# Allegro board PSU-C2-6Layers-Aug8.brd (continued)
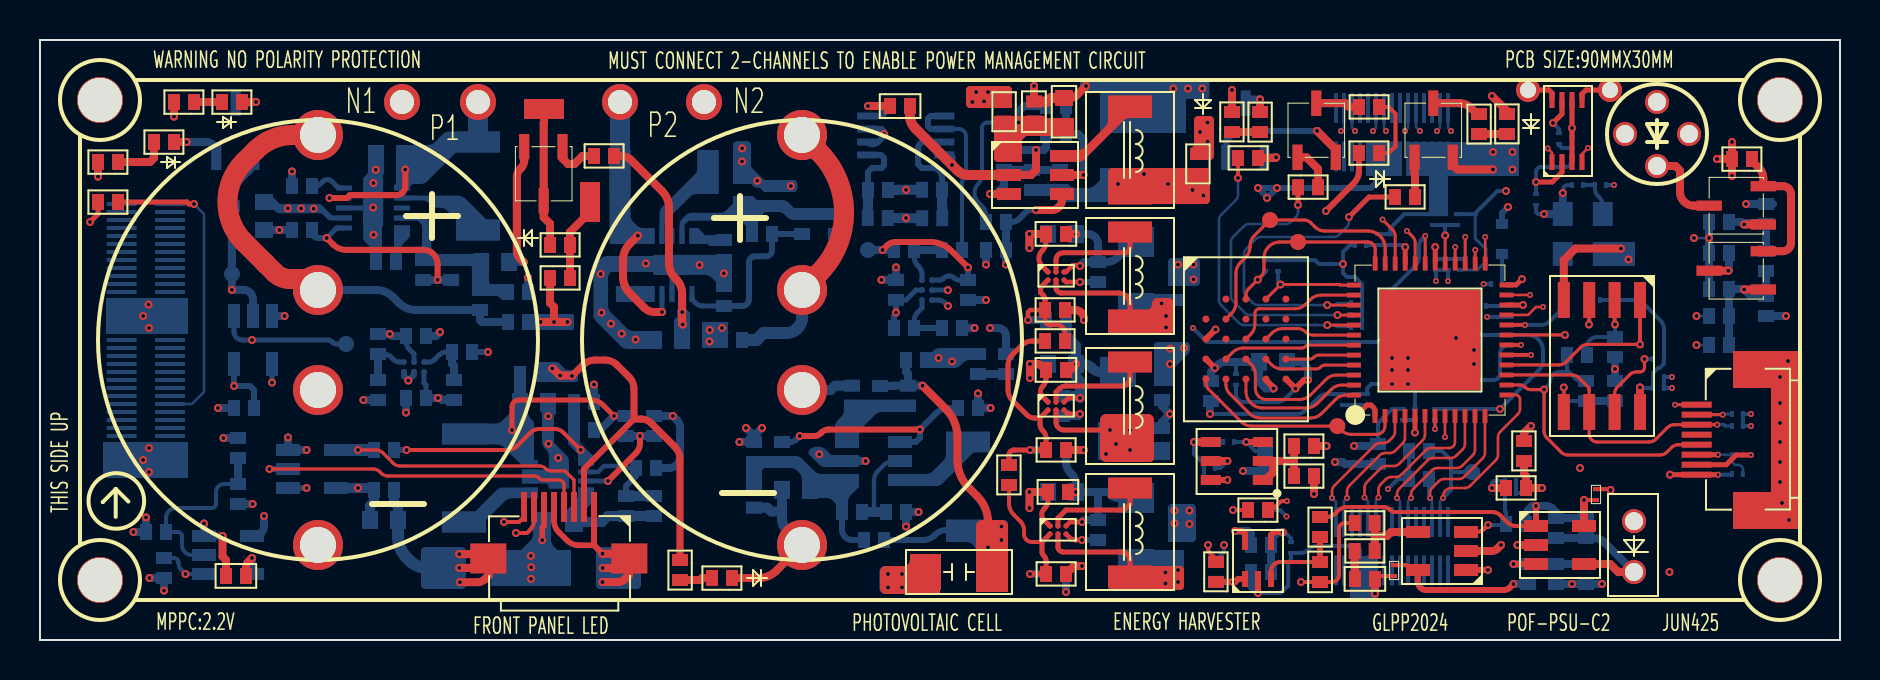
[diagram p0: board, top side]
## Nets
GND: C1.2 C2.1 C3.2 C4.1 C5.2 C5.4 C6.2 C6.4 C7.1 C8.1 C9.2 C10.2 C11.2 C12.1 C14.2 C15.2 C16.2 C17.2 C18.2 C20.2 C21.2 C22.2 C23.2 C24.2 C25.2 C26.2 C27.2 C29.2 C30.2 C31.2 C32.2 C34.2 C35.2 C36.2 C37.2 C38.1 C39.2 C40.2 C41.2 C42.1 C43.1 C44.2 C45.2 C46.2 C47.2 C48.1 C50.2 C51.2 C52.2 C53.2 C54.2 C55.2 C56.1 C57.2 C58.2 C59.2 C60.2 C61.1 C63.1 C64.2 C67.2 C68.1 C69.1 C70.1 C72.2 C73.2 C74.2 C75.1 C76.1 C77.2 C78.2 C79.1 D5.1(CATHODE) D6.1(CATHODE) D8.1(CATHODE) J1.7 J1.9 J1.10 J4.1 J4.5 J4.9 J4.10 J5.61 J5.62 J5.63 J5.64 J5.65 J5.66 J5.67 J5.68 J5.69 J5.70 J6.1 J6.3 J6.5 J6.7 J6.9 J6.11 J7.6 J7.8 J7.10 J7.12 PD1.2 Q3.2(EMITTER) Q4.2(EMITTER) Q5.2(EMITTER) Q6.2(EMITTER) Q7.2(EMITTER) R11.2 R24.1 R33.2 R34.1 R35.2 R36.1 R38.2 R39.1 R40.1 R49.2 R53.1 R58.1 R61.2 R62.2 R64.1 R81.1 R83.1 R84.1 R85.1 R88.1 R92.2 R94.1 R98.1 R102.1 R104.1 R107.1 R112.1 R120.2 R121.1 R122.1 R124.1 R130.2 TP11.1(TP) TP14.1(TP) U1.2 U2.A3 U3.C1 U3.E5(VSS#E5) U4.49 U5.4 U6.A3 U7.4 U8.A3 U10.2 U11.2(V-) U12.2(V-) U13.4(V-) U14.3 U14.11 U15.3 U15.11 U16.A2 U16.B2 U17.3 U18.A2 U18.B2 U19.2 U20.3 U21.2 U21.3 U21.9 U22.3 U23.2 Y2.2
P1V2: L9.1 R114.2
P1V8: L7.1 R90.2
P1V8_RX: C11.1 C63.2 C76.2 R25.2 R115.2 R123.2 U7.5(VOUT) U10.5 U11.5 U12.5
P1V8ADJ_PRE: C16.1 C17.1 C19.2 L1.2 R10.1 R37.1
P1V20: FB2.2 FB5.2 L9.2 R41.2
P1V80: C9.1 C10.1 C77.1 C78.1 FB1.2 FB3.1 FB4.2 J1.8 L7.2 L8.2 R12.1 R13.1 R14.1 R18.1 R21.1 R45.2 R51.2 R55.2 R57.2 R68.2 R77.2 R86.1 R129.2 U5.8 U23.3 U23.6 Y2.4(VCC)
P2V8: C79.2 D2.2 D3.2 D4.2 D7.2 R59.2 U23.7(VCCB)
P2V9ADJ: LD1.1 R10.2 R19.1 R29.1 R31.1 R32.1
P5V0: C4.2 C7.2 C12.2 C27.1 C47.1 C60.1 C72.1 C73.1 J4.6 J5.25 J5.26 J5.27 J5.28 J5.29 J5.30 J5.31 J5.32 J5.33 J5.34 L12.2 R1.2 R2.1 R9.2 R17.2 R20.2 R27.2 R93.2 R97.1 U2.A1 U6.A1 U8.A1
VCCIO_0: C25.1 C26.1 FB1.1 U4.33
VCCIO_2: C45.1 C51.1 FB4.1 U4.1
1ST_EN: J4.3 R95.2 U20.4(Y)
BIO-1: J7.27 R119.2 TP10.1(TP) U4.13
BIO-2: J7.2
BIO-3: J7.25 R118.2 U4.12
BIO-4: J7.17 U4.10
BIO-5: J7.19 U4.11
BIO-6: J7.11 R106.2 U4.9
BIO-7: J7.9 R101.2 U4.6
BIO-8: J7.3 R99.1 U4.4
BIO-9: J7.1 R100.1 U4.3
CHG_FULL: R79.2 R82.1 TP16.1(TP) U17.1 U18.C2
DONE2_LED: R86.2 U4.7
DPU_PWR_EN: J5.1 J5.51 R132.1
EIO-1: J6.26 U4.32
EIO-2: J6.4 U4.25 U23.4
EIO-4: J6.12 U4.27
EIO-5: J6.28 R132.2 U4.34
EIO-6: J6.10 U4.26
EIO-7: J6.18 U4.28
EIO-8: J6.20 R23.2 U4.31
EXT_24MHZ: U4.20 Y2.3
FF2_SCK: J1.3 R77.1 U4.15 U5.6
FF2_SS: J1.2 R51.1 U4.16 U5.1
FL2_MISO: R66.1 R69.1 U5.2
FL2_MOSI: R74.2 R76.2 U5.5
FL2_RST: R68.1 U5.7
FL2_WP: R45.1 U5.3(W\P\(IO2))
FP2_RST: C8.2 J1.6 R18.2 U4.8
FP2_SI: J1.1 R69.2 R76.1 U4.17
FP2_SO: J1.5 R66.2 R74.1 U4.14
IOB_23B: R15.1 U4.21
IOT_37A: J6.2 U4.23 U23.1
LD_PWR_EN: R22.2 U4.18
LDO22-1: C15.1 C23.1 C55.1 C59.1 C64.1 U14.2 U17.5 U20.5 U22.5
LDO22-2: C1.1 C38.2 C43.2 C44.1 R60.2 R67.1 R71.1 R82.2 R128.2 U13.8 U15.2 U16.B1 U18.B1
LED0: J4.8 R8.1 R12.2 U4.39
LED1: J4.7 R7.1 R14.2 U4.40
LED2: R6.1 R13.2 R91.2 U4.41
LOCK_EN: J4.4 U17.4(Y) U20.2
NC.A2: U3.A2
NC.A5: U3.A5
NC.B1: U3.B1
NC.B3: U3.B3
NC.B4: U3.B4
NC.B5: U3.B5
NC.C5: U3.C5
P5033: J6.13 J6.15 J6.17 J6.19 J6.21 R73.2 R75.1
P5033_PRE: C14.1 C49.2 C74.1 L11.2 R73.1 R80.1 R113.1
PSU_UART_TX: R50.1 U4.19
RAM_ADQ0: U3.D3 U4.46
RAM_ADQ1: U3.D2 U4.43
RAM_ADQ2: U3.C4 U4.42
RAM_ADQ3: U3.D4 U4.45
RAM_ADQ4: U3.D5 U4.44
RAM_ADQ5: U3.E3 U4.47
RAM_ADQ6: U3.E2 U4.48
RAM_ADQ7: TP9.1(TP) U3.E1 U4.2
RAM_CE: R55.1 TP2.1(TP) U3.A3 U4.36
RAM_CLK: TP1.1(TP) U3.B2 U4.35
RAM_DQS: U3.C3 U4.38
RAM_RST: R57.1 U3.A4 U4.37
RFU: U3.C2
RX_PWR_EN: R91.1 R92.1 U7.3
SIG_ALIVE: R42.2 TP20.1(TP) U17.2 U22.4(Y)
SPI_VCCIO1: C40.1 C41.1 FB3.2 U4.22
UV_SHDN: R52.2 R60.1 TP15.1(TP) U16.C2 U20.1
VCAP: J4.2 R16.1 R43.2 R44.2 R65.1 R70.2 R78.2 R127.1
VCAP1: C31.1 C33.1 C39.1 R56.1 R63.2 U14.9(VOUT)
VCAP2: C20.1 C21.1 C28.1 R47.1 R48.1 U15.9(VOUT)
N478267: C18.1 L6.1 TP13.1(TP) U14.4 U14.6
N478271: L6.2 U14.7
N478345: C33.2 R49.1 R56.2 U14.1
N478369: R38.1 U14.5
N478385: C32.1 U14.10
N479121: C5.1 C5.3 R63.1 R65.2
N485107: C30.1 L5.1 TP12.1(TP) U15.4 U15.6
N485115: L5.2 U15.7
N485373: C28.2 R48.2 R62.1 U15.1
N485445: R61.1 U15.5
N485483: C29.1 U15.10
N486717: C6.1 C6.3 R47.2 R70.1
N813698: C52.1 C56.2 L10.1 R78.1 R87.2 R89.2 U21.4
N813706: L10.2 U21.1
N813852: C62.1 L12.1 R105.2 U21.8(VOUT)
N813884: R87.1 R88.2 U21.7
N813992: R83.2 R89.1 R95.1 R99.2 R100.2 U21.5
N814000: C62.2 R98.2 R105.1 U21.6
N821854: R39.2 R43.1 U13.3
N821870: R54.2 U13.1 U13.2
N822032: R40.2 R44.1 U13.5
N822044: R72.2 U13.6 U13.7
N823149: C42.2 R67.2 U16.A1(VCC)
N823315: R52.1 R54.1 U16.C1
N824564: C48.2 R71.2 U18.A1(VCC)
N824724: R72.1 R79.1 U18.C1
N834143: D6.2 R16.2
N943794: C65.2 C66.1 R28.1 R111.1 U12.1
N943802: C66.2 PD1.1 R111.2 U12.4
N950397: C57.1 R24.2 R25.1 R103.2
N953867: C13.1 R116.1 U11.1
N953891: R110.2 R116.2 U11.4
N953940: C68.2 R110.1
N957540: C13.2 R28.2 U10.3
N961187: C70.2 R115.1 R124.2 U10.4
N1037075: D5.2 R9.1
N1120293: LD1.2 Q1.3
N1120309: Q2.1 R15.2 R29.2 R33.1 R50.2 R131.1
N1120313: Q2.3 R32.2
N1120345: Q1.1 R31.2 R35.1 R131.2
N1120473: Q1.2(E) Q2.2(E) R11.1
N1125946: C50.1 FB5.1 U4.5
N1126010: C35.1 C36.1 FB2.1 U4.30
N1126482: C22.1 C24.1 R41.1 U4.29
N1126654: C37.1 D7.1(K) U4.24(VPP_2V5)
N1128601: C46.1 C54.1 L8.1 U3.D1 U3.E4
N1140972: C69.2 R93.1 R104.2 U22.2
N1147788: D2.1(CATHODE) R3.2
N1147792: D3.1(CATHODE) R4.2
N1147796: D4.1(CATHODE) R5.2
N1147848: Q5.3 R3.1
N1147852: Q4.3 R4.1
N1147856: Q3.3 R5.1
N1147930: Q5.1 R6.2
N1147938: Q4.1 R7.2
N1147946: Q3.1 R8.2
N1161020: R118.1 R119.1 R120.1 U22.1
N1296793: C75.2 R121.2 R123.1 U12.3
N1325635: C65.1 R103.1 U11.3
N1346126: Q6.1 R42.1
N1347937: D1.1(CATHODE) Q6.3
N1347941: D1.2 R1.1
N1493508: R17.1 R64.2 R126.2 U2.B1
N1495908: L2.1 U2.A2
N1495915: C34.1 L2.2 R59.1 U2.B2
N1496954: R58.2 U2.B3(RSEL)
N1504028: L3.1 U6.A2
N1504040: C53.1 L3.2 R90.1 U6.B2
N1504216: R20.1 R94.2 R125.2 R126.1 U6.B1
N1504224: R84.2 U6.B3(RSEL)
N1511461: L4.1 U8.A2
N1511469: C67.1 L4.2 R114.1 U8.B2
N1511693: R27.1 R122.2 R125.1 U8.B1
N1511701: R112.2 U8.B3(RSEL)
N1521862: L11.1 U19.6
N1521910: C58.1 C61.2 R96.2 R97.2 R108.2 R113.2 U19.1(VIN)
N1521958: C49.1 R80.2 R81.2 U19.3
N1522062: R85.2 R96.1 U19.4
N1522150: R107.2 R108.1 U19.5
N1524626: D8.2 R75.2
N1528387: L1.1 U1.6
N1528431: C2.2 C3.1 R2.2 R30.2 R46.2 U1.1(VIN)
N1528491: C19.1 R36.2 R37.2 U1.3
N1528623: R22.1 R23.1 R46.1 R53.2 U1.4
N1528651: R30.1 R34.2 U1.5
N1533062: R101.1 R106.1 U10.1(VOUT)
N1559286: R19.2 R21.2 U7.1 U7.2
N1560195: R102.2 U7.6
N1632215: D9.2 R127.2 TP21.1(TP)
N1632252: D9.1(CATHODE) Q7.3 TP22.1(TP)
N1633088: Q7.1 R128.1
N1642129: R129.1 R130.1 Y2.1
N3312581: TP25.1(TP) U23.8
N3312603: TP26.1(TP) U23.5

Pads without a net: J1 4; J5 2 3 4 5 6 7 8 9 10 11 12 13 14 15 16 17 18 19 20 21 22 23 24 35 36 37 38 39 40 41 42 43 44 45 46 47 48 49 50 52 53 54 55 56 57 58 59 60; J6 6 8 14 16 22 23 24 25 27 29 30; J7 4 5 7 13 14 15 16 18 20 21 22 23 24 26 28 29 30; LD1 3 4; U14 8; U15 8

## Via types
v1: diameter 0.4, hole 0.2, TOP to BOTTOM, 329 vias
v2: diameter 0.3, hole 0.15, TOP to BOTTOM, 51 vias

## Routing (per net, layer and track width the routed paths; a pad name or vN(x,y) marks a point on that pad's centre or on a via; arc(x,y) is an arc through that point)
GND: length 250.3
  TOP w0.2: C11.2 78.48,7.54 v1(78.53,7.5) ; C68.1 66.9,3.2 C76.1
  TOP w0.23: v1(52.1,5.9) 51.5,5.9 U8.A3 ; v1(52,18.7) 51.96,18.74 51.64,18.74 51.3,18.4 U2.A3 ; v1(52,12.1) 51.4,12.1 U6.A3
  TOP w0.25: v1(74.8,22.9) 75.61,22.9 76.1,23.39 U23.2 ; v2(85.55,9.25) 84.8,9.25 84.32,8.77 J1.7
  TOP w0.28: 27.7,4.74 26.94,4.74 arc(26.62,4.8) 26.35,4.98 25.95,5.39 arc(25.76,5.66) 25.7,5.98 J4.5
  TOP w0.3: v1(28.12,4.31) 27.7,4.74 J4.1 ; U3.E5 v1(62.77,12.57) 63.2,13 v1(63.4,13) ; U10.2 v1(60.9,2.35) ; U3.C1 v1(58.78,15.52)
  TOP w0.4: Q4.2 64.79,24.51 v1(63.85,25.45) ; U1.2 49.55,23.25 49.8,23.5 v1(49.8,24.5) ; v1(51.8,13.8) 51.5,13.5 C7.1 ; C2.1 v1(49.7,27.7) ; v1(28.12,4.31) 29.23,4.31 J4.9 29.45,4.06 29.45,3.6 ; C68.1 v1(66.75,2.32) ; C4.1 v1(51.8,20.3) ; 29.45,3.6 29.45,3.25 29.25,3.05 arc(29.08,2.94) 28.89,2.9 v1(28.12,2.9) ; 29.45,3.6 v1(28.13,3.6) ; C15.2 9.3,4 9.13,4.17 v1(9.13,5.2) ; v1(73.05,4.75) 72.87,4.57 arc(72.74,4.48) 72.58,4.45 U11.2 ; U7.4 v1(57.7,9.9) ; v1(79.05,19.57) 76.77,19.57 76.19,18.99 U5.4 ; v1(24.18,18.9) 23.99,19.1 arc(23.88,19.25) 23.84,19.44 23.84,23.17 arc(23.88,23.37) 24,23.54 24.06,23.6 arc(24.17,23.77) 24.21,23.97 24.21,24.67 ; R11.2 v1(84.6,24.9) ; R11.2 v1(83.85,24.05) ; R11.2 v1(84.6,23.2) ; v1(72.65,23.53) 70.87,23.53 70.64,23.75 Q3.2 ; 22.45,3.61 v1(20.97,3.61) ; 22.45,3.61 22.45,4.05 J4.10 22.2,4.29 v1(20.97,4.29) ; 22.45,3.61 22.45,3.25 22.24,3.04 arc(22.07,2.93) 21.88,2.89 v1(21,2.89) ; C12.1 v1(51.8,7.4) ; D6.1 35.95,3.1 arc(36.41,3.19) 36.8,3.45 C6.4 ; R24.1 v1(72.6,7.6) ; D5.1 v1(7.33,24.9) ; U12.2 v1(73.87,4.75) ; v1(52.3,27.7) 51.85,27.25 arc(51.68,27.14) 51.49,27.1 C3.2
  TOP w0.5: C3.2 50.56,27.1 50.38,26.93 C2.1 ; U1.2 46.4,23.25 arc(46.12,23.31) 45.88,23.46 v1(45.6,23.75) 43.77,25.58 arc(43.57,25.88) 43.5,26.22 C1.2
  GND w0.4: 66.55,3.95 66.55,3.46 arc(66.47,3.08) 66.26,2.76 65.9,2.4 61.9,2.4 61.8,2.5 60.8,2.5 ; 66.55,3.95 65.56,4.94 arc(65.3,5.33) 65.2,5.79 65.2,6.55 ; 66.55,3.95 67,4.4 arc(67.39,4.66) 67.85,4.75 v1(73.05,4.75) v1(73.87,4.75) 76.37,4.75 76.39,4.77 ; 76.41,4.75 76.6,4.56 v1(76.6,2.8) ; 76.41,4.75 76.39,4.77 ; 76.41,4.75 77.05,4.75 77.81,3.99 arc(78.02,3.67) 78.1,3.29 v1(78.1,2.8) ; 76.39,4.77 77.56,5.94 PD1.2
  GND2 w0.4: 76.6,4.75 v1(73.87,4.75) v1(73.05,4.75) 67.69,4.75 arc(67.24,4.66) 66.85,4.4 66.45,4 ; 76.6,4.75 77.8,5.95 arc(78.28,6.15) 78.76,5.95 78.77,5.94 PD1.2 ; 76.6,4.75 77.39,4.75 arc(77.89,4.54) 78.1,4.04 v1(78.1,2.8) ; 76.6,4.75 v1(76.6,2.8) ; 60.8,2.5 61.8,2.5 61.9,2.4 65.9,2.4 66.2,2.7 arc(66.39,2.98) 66.45,3.3 66.45,4 ; 66.45,4 65.56,4.89 arc(65.3,5.28) 65.2,5.74 65.2,6.55
  BOTTOM w0.2: v2(69.8,17.95) C36.2 C35.2 v2(70.4,17.95) ; v1(66.75,2.32) 66.4,2.67 J7.10 ; C8.1 v2(85.55,9.25) ; C25.2 C26.2 67.5,20.58 68.21,21.29 C22.2 C24.2 ; v1(60.9,2.35) 62.04,2.35 62.41,2.72 62.41,3.88 62.55,4.02 C70.1 63.02,4.35 arc(63.23,4.39) 63.41,4.51 63.44,4.54 arc(63.62,4.66) 63.83,4.7 65.8,4.7 arc(65.94,4.64) 66,4.5 J7.8 ; R102.1 C63.1 58.2,8.8 57.7,9.3 v1(57.7,9.9) R92.2 ; v1(67.6,12.8) 66.57,12.8 66.35,12.58 C51.2 C45.2 ; C41.2 C40.2 v2(72.36,16.16) ; C77.2 v1(74.8,22.9) 74.8,23.41 arc(74.82,23.49) 74.86,23.56 74.89,23.59 arc(74.96,23.63) 75.04,23.65 76.28,23.65 arc(76.39,23.67) 76.49,23.74 76.6,23.85 C78.2 76.59,24.6 76.1,24.6 75.95,24.75 C79.1 ; C57.2 72.7,7.95 72.6,7.85 v1(72.6,7.6) ; C46.2 59.8,12.3 arc(59.92,12.02) 60.2,11.9 61.85,11.9 arc(62.08,11.95) 62.27,12.08 v1(62.77,12.57) ; C50.2 68.75,12.45 v1(68.4,12.8) ; v2(81.6,13.15) C9.2 C10.2 v2(81.6,12.6) ; C37.2 v2(72.18,17.8) ; R130.2 v2(78.7,22.75)
  BOTTOM w0.25: U16.A2 44.92,16.99 arc(45.09,16.96) 45.24,16.86 v1(45.4,16.7) ; U16.B2 v1(45.39,17.49)
  BOTTOM w0.3: 59.31,24.13 59.31,24.96 59.8,25.45 v1(63.85,25.45) ; U18.A2 18.2,13.2 18.4,13 18.4,12.99 v1(18.41,12.97) 18.7,13.26 U18.B2
  BOTTOM w0.35: U13.4 45.47,24.25 45.6,24.12 v1(45.6,23.75)
  BOTTOM w0.4: v1(43.3,5.67) R107.1 v1(43.93,6.4) ; C54.2 62.95,13.9 arc(63.27,13.77) 63.4,13.45 v1(63.4,13) ; R53.1 v1(47.3,18.77) ; C55.2 v1(8.9,11.6) ; C67.2 53.88,7.1 arc(53.72,7.13) 53.59,7.22 53.41,7.4 52.85,7.4 ; C34.2 54.65,19.9 53.89,19.14 arc(53.62,18.96) 53.31,18.9 R58.1 ; Q6.2 8.81,24.41 arc(8.78,24.58) 8.68,24.72 8.63,24.77 arc(8.49,24.87) 8.32,24.9 v1(7.33,24.9) ; C75.1 v1(76.6,2.8) R121.1 v1(78.1,2.8) ; C43.1 19.8,15.2 v1(20,15.4) ; R58.1 52.9,19.79 arc(52.75,20.15) 52.39,20.3 v1(51.8,20.3) ; R58.1 52.2,18.9 v1(52,18.7) ; C48.1 v1(16.17,12) ; 86.65,21.8 R35.2 v1(85.3,21.8) ; v1(12.4,10.13) U20.3 v1(13.33,9.5) ; R98.1 31.44,8.6 arc(31.84,8.76) 32,9.16 32,10.63 arc(31.96,10.83) 31.85,10.99 v1(31.64,11.2) R88.1 ; R38.2 v1(12.6,23.43) ; C31.2 v1(24.18,18.9) ; 52.85,7.4 52.9,7.35 R112.1 52.2,6 v1(52.1,5.9) ; 52.85,7.4 v1(51.8,7.4) 51.8,7.78 arc(51.75,8.05) 51.59,8.29 51.52,8.36 arc(51.36,8.6) 51.3,8.89 R94.1 ; R49.2 v1(11.97,20.5) C23.2 ; R104.1 v1(10.63,6.8) ; v1(9.13,5.2) U22.3 v1(8.2,5.83) ; v1(42.07,18.01) C38.1 v1(42.8,18.63) ; v1(47.53,11.6) R85.1 v1(46.9,12.33) ; C39.2 v1(24.4,18.13) ; U19.2 v1(41.28,8.95) ; R36.1 v1(49.8,24.5) 50.19,24.5 50.3,24.61 R34.1 ; v1(5.3,6.13) C69.1 v1(4.67,5.4) ; R124.1 60.55,2.7 v1(60.9,2.35) ; v1(47.5,15.6) 47.9,15.6 arc(48.18,15.48) 48.3,15.2 D8.1 ; v1(5.47,3.1) R120.2 v1(6.2,2.47) ; U17.3 v1(12.23,16.2) ; R122.1 v1(51.3,2.4) ; R83.1 v1(27.7,12.78) ; C42.1 v1(46.73,15.6) ; R33.2 v1(87.3,16.2)
  BOTTOM w0.5: C6.2 39.54,12.5 39.76,12.71 R81.1 ; C61.1 36.37,6.61 36.56,6.43 37.1,6.43 ; v1(51.8,13.8) 51.8,14.44 51.8,14.44 51.8,14.72 51.51,15 arc(51.36,15.24) 51.3,15.52 R64.1 ; v1(51.8,13.8) 52.17,13.8 arc(52.38,13.76) 52.56,13.64 52.64,13.56 arc(52.82,13.44) 53.03,13.4 C53.2 ; v1(51.8,13.8) 51.8,13.16 52,12.96 v1(52,12.1) 51.9,12.2 R84.1 ; 37.1,6.43 C58.2 ; 37.1,6.43 37.1,6.04 arc(37.15,5.77) 37.3,5.55 C6.4 ; C64.2 17.9,6.67 17.7,6.87 C59.2 ; R39.1 v1(43.3,22.51) 42.9,22.51 42.89,22.5 R40.1 ; C73.2 19.38,3.6
  BOTTOM w0.6: C64.2 17.9,5.17 arc(18.01,4.6) 18.34,4.11 18.48,3.97 arc(18.89,3.7) 19.38,3.6
  vias: v1(5.16,9) v1(5.45,9.6) v1(5.45,8.4) v1(16.67,22.85) v1(16.66,21.62) v1(16.68,20.26) v1(16.78,23.51) v1(25.41,11.19) v1(25.42,9.81) v1(25.91,9.1) v1(28.03,18.3) v1(28.07,16.37) v1(28.55,15.81) v1(29.09,15.31) v1(29.78,15.03) v1(30.29,18.82) v1(32.98,18.75) v1(34.19,18.33) v1(35.11,24.58) v1(35.1,23.93) v1(35.86,22.96) v1(37.54,22.7) v1(38.96,9.29) v1(42.4,3.3) v1(42.4,2.63) v1(43.1,3.3) v1(43.1,2.63) v1(56.66,27.57) v1(57.4,27.57) v1(58.11,27.57) v1(67.6,14.1) v1(67.6,13.5) v1(68.4,14.1) v1(68.4,13.5) v1(70.8,15.1) v1(71.7,14.5) v1(71.7,13.8) v1(72.65,24.4) v1(73.62,24.4) v1(73.62,23.53) v1(77,8.6) v1(79.42,19.03) v1(81.47,3.4) v1(87,13.15) v1(87,11.85) v1(87,10.85) v1(87,9.9) v1(87,8.9) v1(87,7.9) v1(87.1,6.85) v1(87.4,13.95) v1(87.45,6)
P1V2: length 20
  VCC w0.3: v1(56.73,6.47) v1(56.73,5.83) ; v1(56.73,6.47) v1(57.47,6.47) ; v1(56.73,6.47) v1(57.47,5.8) ; v1(56.73,6.47) 56.45,6.75 56.45,10.05 57.05,10.65 61.65,10.65 63.4,8.9 v1(64.75,8.9) ; v1(56.73,5.83) v1(57.47,6.47) ; v1(56.73,5.83) v1(57.47,5.8) ; v1(57.47,6.47) v1(57.47,5.8)
  BOTTOM w0.4: L9.1 65.24,8.8 65.14,8.9 v1(64.75,8.9)
P1V8: length 1.7
  BOTTOM w0.4: L7.1 56.1,11.7 v1(56.5,11.3) 56.1,10.9 R90.2
P1V8_RX: length 46.4
  TOP w0.2: C76.2 68.25,3.74 arc(68.39,3.72) 68.51,3.64 68.58,3.57 arc(68.66,3.52) 68.75,3.5 U11.5 ; C11.1 v1(77.2,7)
  TOP w0.3: U11.5 68.9,2.9 arc(69.02,2.62) 69.3,2.5 73.19,2.5 arc(73.36,2.53) 73.5,2.63 v1(73.67,2.8) ; v1(59.75,5.45) 60.1,5.45 60.25,5.3 U10.5
  TOP w0.4: v1(74.55,10.7) 74.2,10.35 R25.2 ; U7.5 v1(59.37,8.95) ; U12.5 v1(77.2,7)
  VCC w0.4: 60.65,5.45 61.4,6.2 61.4,8.5 60.65,9.25 59.67,9.25 v1(59.37,8.95) ; 60.65,5.45 60.65,5.05 61.7,4 67.1,4 68.3,2.8 v1(73.67,2.8) 74.35,2.8 77.2,5.65 v1(77.2,7) 74.55,9.65 v1(74.55,10.7) ; 60.65,5.45 v1(59.75,5.45)
  BOTTOM w0.2: v1(59.37,8.95) 59.02,8.6 C63.2
  BOTTOM w0.4: v1(59.75,5.45) 60.39,5.45 60.55,5.29 R115.2 ; R123.2 v1(73.67,2.8)
P1V8ADJ_PRE:
  vias: v1(53.9,22.8) v1(55.2,23.3) v1(56.4,22.8) v1(57.63,22.5) v1(58.17,22.23)
P1V20: length 30
  VCC w0.4: v1(65.7,9.7) 66.23,9.7 68.28,11.75 71.4,11.75 73.2,13.55 73.2,19.35 74.25,20.4 74.25,22.05 73.85,22.45 v1(73.3,22.45)
  BOTTOM w0.15: FB2.2 71.87,18.51 72.3,18.93 72.3,19.54 71.76,20.07 71.76,21.26 71.8,21.29
  BOTTOM w0.2: v1(73.3,22.45) 72.87,22.45 71.8,21.38 71.8,21.29 R41.2 ; L9.2 66.9,10.85 67.59,11.54 FB5.2
  BOTTOM w0.4: v1(65.7,9.7) 66.8,9.7 L9.2
P1V80: length 137.2
  TOP w0.25: U23.3 v1(76.6,25.6) U23.6 ; v2(83.9,8.27) J1.8 v1(81.5,8.27)
  TOP w0.4: U5.8 v1(80,12.63) ; v1(63.7,7.3) R21.1
  SIG1 w0.4: v1(73,11.55) 67.67,11.55 arc(67.37,11.61) 67.12,11.78 67.08,11.82 arc(66.83,11.99) 66.53,12.05 64.52,12.05 arc(64.18,11.98) 63.89,11.79 63.66,11.56 arc(63.37,11.37) 63.03,11.3 v1(58.5,11.3)
  VCC w0.4: v1(76.14,22.35) 76.7,22.35 77.7,21.35 79.75,21.35 84.3,16.8 84.3,13.55 85.55,12.3 v2(85.55,11.3) v2(85.55,10.7) 84.65,9.8 84.65,8.5 84.42,8.27 v2(83.9,8.27) v1(81.5,8.27) 81.5,9.9 U5.8 v1(80,12.63) 77.77,12.63 76.75,13.65 75.1,13.65 v1(73,11.55) 73,10.15 71.15,8.3 71.15,6.2 70.75,5.8 64.1,5.8 63.7,6.2 v1(63.7,7.3) ; v1(76.14,22.35) 76.14,21.74 75.7,21.3 v1(75.2,21.3) ; v1(76.14,22.35) 76.14,22.74 76.15,22.75 76.15,23.6 76.6,24.05 v1(76.6,25.6) ; v1(65.15,18.8) 64.15,18.8 63.15,17.8 63.15,16.1 61.65,14.6 v1(57.2,14.6) 57.17,14.57 v1(56.5,14.57) v1(56.5,13.8) 58.5,11.8 v1(58.5,11.3)
  BOTTOM w0.2: C77.1 74.8,21.4 74.9,21.3 v1(75.2,21.3) ; R13.1 R14.1 R12.1 66.1,17.8 65.75,18.15 65.35,18.15 65.15,18.35 v1(65.15,18.8) ; v1(65.15,18.8) 63.95,18.8 63.76,18.99 R57.2 R55.2 ; v1(65.15,18.8) 65.15,19.4 65.5,19.75 FB1.2 ; R129.2 76.39,22.75 arc(76.31,22.73) 76.24,22.69 76.21,22.66 arc(76.17,22.59) 76.15,22.51 76.15,22.36 v1(76.14,22.35) ; C78.1 v1(76.6,25.6) ; v1(80,12.63) 80.03,12.6 C10.1 C9.1 80.65,13.35 80.9,13.6 80.99,13.6 81.19,13.8 R68.2 81.2,14.06 81.2,15.55 arc(81.15,15.78) 81.02,15.98 80.18,16.82 arc(79.98,16.95) 79.75,17 R45.2 ; FB4.2 64.34,12.29 arc(64.11,12.25) 63.92,12.12 63.28,11.48 arc(63.08,11.35) 62.85,11.3 v1(58.5,11.3) ; FB3.1 71.75,15.65 arc(71.87,15.37) 72.15,15.25 74.38,15.25 arc(74.93,15.03) 75.15,14.48 75.15,13.95 arc(75.1,13.72) 74.97,13.52 v1(73,11.55) R86.1 ; v2(83.9,8.27) 84.57,8.27 R18.1 ; v2(85.55,10.7) R77.2 R51.2 v2(85.55,11.3)
  BOTTOM w0.4: v1(75.2,21.3) Y2.4 v1(76.14,22.35) ; L8.2 58.5,11.9 v1(58.5,11.3)
P2V8: length 47
  TOP w0.25: v1(75.65,25.85) 76.1,26.3 U23.7
  TOP w0.3: v1(64.3,21.45) 65.69,22.84 arc(65.88,23.13) 65.95,23.47 D3.2
  TOP w0.4: D4.2 73.35,26.45 v1(72.6,27.2) ; D2.2 v1(59.6,27.5)
  VCC w0.4: 64.3,22.35 v1(64.3,21.45) ; 64.3,22.35 64.75,22.8 70.7,22.8 70.75,22.85 ; 64.3,22.35 63.75,22.9 63.7,22.9 63.7,23.95 62.35,25.3 60.15,25.3 59.95,25.5 ; v1(57.67,18.77) v1(56.9,18.77) 57.18,18.5 57.2,18.5 v1(57.67,18.03) v1(57.67,18.77) ; v1(57.67,18.77) 59,20.1 59,23.85 59.95,24.8 59.95,25.5 ; 59.95,25.5 59.6,25.85 v1(59.6,27.5) ; v1(75.65,25.85) 73.15,25.85 72.85,26.15 ; v1(72.6,27.2) 72.6,26.4 72.85,26.15 ; 72.85,26.15 70.75,24.05 70.75,22.85 ; v1(73.4,21.65) 73.03,21.28 71.82,21.28 70.75,22.35 70.75,22.85
  BOTTOM w0.2: v1(75.65,25.85) 75.95,25.55 C79.2
  BOTTOM w0.3: D7.2 73.1,21.35 v1(73.4,21.65)
P2V9ADJ: length 75.5
  TOP w0.4: R19.1 v1(64.33,9.7)
  SIG1 w0.3: v1(82.7,20.1) v1(83.45,20.1) 83.45,22.38 arc(83.38,22.72) 83.19,23.01 81.11,25.09 arc(80.92,25.38) 80.85,25.72 LD1.1 80.3,26.9 arc(80,26.84) 79.74,26.67 79.7,26.63 arc(79.45,26.46) 79.15,26.4 77.82,26.4 arc(77.48,26.47) 77.19,26.66 76.85,27 arc(76.25,27.25) 75.65,27 75.16,26.51 arc(74.87,26.32) 74.53,26.25 72.42,26.25 arc(72.08,26.32) 71.79,26.51 71.61,26.69 arc(71.32,26.88) 70.98,26.95 63.67,26.95 arc(63.33,26.88) 63.04,26.69 62.49,26.14 arc(62.19,25.94) 61.85,25.87 v1(58.37,25.87)
  SIG1 w0.4: v1(58.37,25.87) 58,25.5 v1(58,25.4) 58,25.29 v1(58.37,24.92)
  VCC w0.3: v1(64.33,9.7) 64.33,13.63 66.75,16.05 66.75,19 65.55,20.2 61.9,20.2 58.7,17 57.25,17 53,21.25 53,23.6 54.32,24.92 v1(58.37,24.92) 58,25.29 v1(58,25.4) 58.37,25.77 v1(58.37,25.87)
  BOTTOM w0.127: v1(83.45,20.1) v1(82.7,20.1)
  BOTTOM w0.4: R31.1 v1(83.45,20.1) R32.1 R29.1
P5V0: length 132
  TOP w0.127: 51.2,9.5 R20.2
  TOP w0.25: C4.2 50.3,19.91 arc(50.25,19.67) 50.12,19.47 50.1,19.45 arc(49.95,19.07) 50.1,18.7 U2.A1 ; C12.2 50.4,7.01 arc(50.35,6.77) 50.22,6.57 50.2,6.55 arc(50.09,6.27) 50.2,6 U8.A1 ; C7.2 50.3,13.07 arc(50.26,12.86) 50.14,12.69 50.13,12.67 arc(50.02,12.42) 50.13,12.17 U6.A1
  TOP w0.28: J4.6 25.2,5.71 25.11,5.62 v1(25.11,4.99)
  TOP w0.4: C12.2 v1(49.47,7.4) v1(49.47,6.6) ; R1.2 v1(6.7,26.17) ; v1(52.1,3.7) 51.7,3.7 R27.2 ; v1(52.2,16) 52.2,16.05 arc(52.07,16.37) 51.75,16.5 R17.2 ; v1(49.5,13.1) v1(49.5,13.8) 49.83,13.8 arc(49.99,13.77) 50.12,13.68 C7.2 ; C4.2 v1(49.47,20.3) v1(49.47,19.6) ; R20.2 v1(52.2,9.5) ; R9.2 v1(2.9,23.17)
  SIG1 w0.4: v1(49.47,7.4) v1(49.47,6.6) 49.47,5.03 arc(49.63,4.65) 50,4.5 50.8,4.5 arc(51.26,4.41) 51.65,4.15 v1(52.1,3.7)
  VCC w0.3: v1(47.4,27.4) 47.39,27.39 ; 47.39,27.39 v1(46.81,27.39) 46.81,27.09 v1(46.62,26.9) 47.18,26.9 v1(47.2,26.93) ; 47.39,27.39 47.2,27.2 v1(47.2,26.93) ; 35.73,7.92 34.45,6.65 28,6.65 26.34,4.99 v1(25.11,4.99) ; 35.73,7.92 49.47,7.92 ; 35.73,7.92 34.97,8.68 v1(34.97,9.9) 35.3,10.23 v1(35.3,10.6) v1(36.1,10.6) ; 49.47,7.92 v1(49.47,7.4) v1(49.47,6.6) ; 49.47,7.92 50.25,8.7 51.8,8.7 52.2,9.1 v1(52.2,9.5) 51.65,9.5 49.5,11.65 v1(49.5,13.1) v1(49.5,13.8) 49.5,14.3 51.2,16 ; v1(47.2,26.93) 47.2,25.45 48.6,24.05 48.6,21.17 v1(49.47,20.3) v1(49.47,19.6) 49.47,18.33 51.2,16.6 51.2,16 ; 51.2,16 v1(52.2,16)
  VCC w0.4: v1(24.55,3.05) 24.56,3.06 v1(24.56,3.64) 24.54,3.66 v1(24.54,4.21) 24.55,4.2 24.95,4.2 25.11,4.36 v1(25.11,4.99) 25.11,6.64 23.95,7.8 18,7.8 17.15,8.65 12.55,8.65 11.1,10.1 v1(9.17,10.1) 7.9,10.1 5.45,12.55 v1(5.45,15.6) 5.16,15.89 v1(5.16,16.2) 5.42,16.47 v1(5.42,16.77) 5.42,23.15 ; 5.42,23.15 5.4,23.17 v1(2.9,23.17) ; 5.42,23.15 5.42,24.9 v1(6.7,26.17)
  BOTTOM w0.3: v1(49.47,7.4) v1(49.47,6.6)
  BOTTOM w0.4: v1(49.47,7.4) C12.2 ; 35.7,10.2 v1(35.3,10.6) ; 35.7,10.2 v1(36.1,10.6) ; 35.7,10.2 R97.1 v1(34.97,9.9) ; C27.1 v1(49.47,20.3) v1(49.47,19.6) ; R93.2 v1(9.17,10.1) ; C47.1 v1(49.5,13.8)
VCCIO_0: length 2.8
  TOP w0.24: U4.33 v1(68.26,19.65)
  BOTTOM w0.2: v1(68.26,19.65) 68.16,19.75 C26.1 C25.1 FB1.1
VCCIO_2: length 3.4
  TOP w0.25: 66.75,11.2 66.75,11.44 arc(66.73,11.54) 66.67,11.63 66.55,11.75 66.35,11.75 v1(65.8,11.2)
  BOTTOM w0.2: C45.1 FB4.1 ; C45.1 C51.1 ; C45.1 65.75,11.25 v1(65.8,11.2)
1ST_EN: length 14.6
  TOP w0.16: J4.3 26.7,8 26.25,8.45 25.56,8.45 arc(25.41,8.48) 25.29,8.56 25.26,8.59 arc(25.14,8.67) 24.99,8.7 18,8.7 arc(17.82,8.74) 17.66,8.84 17.14,9.36 arc(16.98,9.46) 16.8,9.5 v1(15.9,9.5)
  BOTTOM w0.6: R95.2 v1(15.9,9.5) U20.4
BIO-1: length 13.5
  TOP w0.127: v2(70.15,7.1) 70.15,7.17 arc(70.27,7.48) 70.58,7.6 71.24,7.6 arc(71.39,7.63) 71.51,7.71 72.79,8.99 arc(72.87,9.11) 72.9,9.26 72.9,10.14 arc(72.93,10.29) 73.01,10.41 73.89,11.29 arc(73.97,11.41) 74,11.56 74,12.05 arc(73.99,12.12) 73.95,12.18 73.93,12.2 arc(73.87,12.24) 73.8,12.25 U4.13
  BOTTOM w0.127: J7.27 70,6.95 v2(70.15,7.1)
  BOTTOM w0.2: TP10.1 70.55,8.4 ; 70.55,8.4 70.55,9 70.1,9.45 R119.2 ; 70.55,8.4 70.55,7.5 v2(70.15,7.1)
BIO-3: length 8
  TOP w0.127: v2(69.5,7.1) 69.5,7.34 arc(69.53,7.49) 69.61,7.61 69.94,7.94 arc(70.06,8.02) 70.21,8.05 70.94,8.05 arc(71.09,8.08) 71.21,8.16 72.14,9.09 arc(72.22,9.21) 72.25,9.36 72.25,11.2
  BOTTOM w0.127: J7.25 69.6,7 v2(69.5,7.1)
  BOTTOM w0.2: R118.2 69.45,7.15 v2(69.5,7.1)
BIO-4: length 7.4
  TOP w0.127: v2(67.85,7.1) 67.85,7.29 arc(67.88,7.44) 67.96,7.56 69.39,8.99 arc(69.51,9.07) 69.66,9.1 70.54,9.1 arc(70.69,9.13) 70.81,9.21 71.14,9.54 arc(71.22,9.66) 71.25,9.81 71.25,11.2
  BOTTOM w0.127: J7.17 68,6.95 v2(67.85,7.1)
BIO-5: length 7.4
  TOP w0.127: v2(68.55,7.1) 68.55,7.28 arc(68.58,7.43) 68.66,7.55 69.6,8.49 arc(69.72,8.57) 69.87,8.6 70.84,8.6 arc(70.99,8.63) 71.11,8.71 71.64,9.24 arc(71.72,9.36) 71.75,9.51 71.75,11.2
  BOTTOM w0.127: J7.19 68.4,6.95 v2(68.55,7.1)
BIO-6: length 19.9
  TOP w0.127: v2(66.92,7.12) 66.92,7.52 arc(66.95,7.66) 67.04,7.79 67.29,8.04 arc(67.41,8.12) 67.56,8.15 67.79,8.15 arc(67.94,8.18) 68.06,8.26 69.29,9.49 arc(69.41,9.57) 69.56,9.6 70.45,9.6 arc(70.66,9.69) 70.75,9.9 70.75,11.2
  TOP w0.2: v1(58.4,4.75) 58.4,4.58 arc(58.42,4.46) 58.49,4.36 58.8,4.05 R106.2
  SIG1 w0.127: v1(58.4,4.75) 58.4,4.41 arc(58.43,4.26) 58.51,4.14 58.61,4.04 arc(58.65,4.01) 58.7,4 64.85,4 arc(64.9,4.01) 64.94,4.04 66.81,5.91 arc(66.9,6.04) 66.92,6.18 v2(66.92,7.12)
  BOTTOM w0.127: J7.11 66.8,7 v2(66.92,7.12)
BIO-7: length 16.9
  TOP w0.127: 69.25,11.2 69.25,10.66 69.25,10.66 69.25,10.26 arc(69.22,10.11) 69.14,9.99 67.96,8.81 arc(67.84,8.73) 67.69,8.7 67.31,8.7 arc(67.16,8.67) 67.04,8.59 66.34,7.89 arc(66.25,7.76) 66.22,7.62 v2(66.22,7.12)
  SIG1 w0.127: v1(59.2,4.75) 59.2,4.53 arc(59.24,4.44) 59.33,4.4 64.35,4.4 arc(64.4,4.41) 64.44,4.44 66.11,6.11 arc(66.2,6.24) 66.22,6.38 v2(66.22,7.12)
  BOTTOM w0.127: J7.9 66.4,6.95 v2(66.22,7.12)
  BOTTOM w0.2: R101.2 58.8,4 59.2,4.4 v1(59.2,4.75)
BIO-8: length 11.6
  TOP w0.127: 68.25,11.2 68.25,10.11 arc(68.22,9.96) 68.14,9.84 67.76,9.46 arc(67.64,9.38) 67.49,9.35 67.26,9.35 arc(67.11,9.32) 66.99,9.24 65.46,7.71 arc(65.38,7.59) 65.35,7.44 v2(65.35,7.1)
  SIG1 w0.127: v2(62.33,6.18) 62.45,6.05 arc(62.58,5.96) 62.72,5.93 64.38,5.93 arc(64.52,5.96) 64.65,6.05 65.24,6.64 arc(65.32,6.76) 65.35,6.91 v2(65.35,7.1)
  BOTTOM w0.127: J7.3 65.2,6.95 v2(65.35,7.1)
  BOTTOM w0.2: R99.1 62,6.5 v2(62.33,6.18)
BIO-9: length 10.9
  TOP w0.127: 67.75,11.2 67.75,10.41 arc(67.72,10.26) 67.64,10.14 67.46,9.96 arc(67.34,9.88) 67.19,9.85 67.01,9.85 arc(66.86,9.82) 66.74,9.74 64.71,7.71 arc(64.63,7.59) 64.6,7.44 v2(64.6,7.1)
  TOP w0.2: v2(62.35,6.95) 62.18,6.95 arc(62.06,6.93) 61.96,6.86 61.6,6.5 R100.1
  SIG1 w0.127: v2(62.35,6.95) 62.54,6.95 arc(62.69,6.92) 62.81,6.84 63.04,6.61 arc(63.16,6.53) 63.31,6.5 64.34,6.5 arc(64.52,6.58) 64.6,6.76 v2(64.6,7.1)
  BOTTOM w0.127: J7.1 64.8,6.9 v2(64.6,7.1)
CHG_FULL: length 20.6
  SIG1 w0.22: v1(19.9,12.1) 19.9,13.13 arc(19.85,13.38) 19.71,13.59 19.4,13.9 arc(19.19,14.04) 18.94,14.09 16.83,14.09 arc(16.58,14.14) 16.37,14.28 15.84,14.81 arc(15.63,14.95) 15.38,15 v1(10.6,15)
  BOTTOM w0.25: R82.1 19.3,12.75 19.2,12.85 U18.C2 ; U17.1 9.7,15.43 arc(9.82,15.12) 10.12,15 v1(10.6,15) 14.39,15 arc(14.5,14.98) 14.59,14.92 14.63,14.88 arc(14.72,14.82) 14.83,14.8 TP16.1
  BOTTOM w0.4: R82.1 v1(19.9,12.1) 20.01,12.1 20.11,12 R79.2
DONE2_LED: length 1.1
  TOP w0.127: 69.75,11.2 v2(69.75,10.55)
  BOTTOM w0.2: v2(69.75,10.55) 69.75,10.55 R86.2
DPU_PWR_EN: length 16.6
  TOP w0.25: R132.1 7.35,21.9 7.45,21.8 v1(7.7,21.8)
  BOTTOM w0.127: J5.51 7.6,11.8 8.2,12.4 8.2,21.3 v1(7.7,21.8) J5.1
EIO-1: length 9
  TOP w0.15: v2(68.35,20.45) 68.63,20.17 arc(68.73,20.02) 68.76,19.85 U4.32
  SIG1 w0.127: v2(68.35,20.45) 68.35,20.74 arc(68.32,20.89) 68.24,21.01 65.86,23.39 arc(65.78,23.51) 65.75,23.66 v2(65.75,25.45)
  BOTTOM w0.127: J6.26 65.6,25.6 v2(65.75,25.45)
EIO-2: length 18.1
  TOP w0.127: U23.4 77.1,24.3 v2(77.4,24.6) ; v2(72.26,20.15) 72.26,19.03
  TOP w0.15: 72.26,19.03 U4.25
  SIG1 w0.127: v2(72.26,20.15) 72.26,21.53 arc(72.23,21.68) 72.15,21.8 69.96,23.99 arc(69.88,24.11) 69.85,24.26 v2(69.85,25.45) 69.85,25.74 arc(69.93,25.92) 70.11,26 71.19,26 arc(71.25,25.99) 71.29,25.96 71.47,25.78 arc(71.67,25.65) 71.91,25.6 74.34,25.6 arc(74.49,25.57) 74.61,25.49 74.89,25.21 arc(75.01,25.13) 75.16,25.1 75.79,25.1 arc(75.94,25.07) 76.06,24.99 76.34,24.71 arc(76.46,24.63) 76.61,24.6 v2(77.4,24.6)
  BOTTOM w0.127: J6.4 70,25.6 v2(69.85,25.45)
EIO-4: length 9.1
  TOP w0.15: v2(71.26,20.15) U4.27
  SIG1 w0.127: v2(68.25,25.45) 68.25,24.16 arc(68.28,24.01) 68.36,23.89 71.15,21.1 arc(71.23,20.98) 71.26,20.83 v2(71.26,20.15)
  BOTTOM w0.127: J6.12 68.4,25.6 v2(68.25,25.45)
EIO-5: length 80.3
  TOP w0.15: U4.34 67.76,20.2 arc(67.73,20.37) 67.63,20.52 v2(67.12,21.02)
  TOP w0.25: R132.2 2.9,21.3 v1(2.5,20.9)
  SIG1 w0.127: v2(67.12,21.02) 65.16,22.98 arc(65.08,23.11) 65.05,23.25 v2(65.05,25.45)
  SIG1 w0.18: v1(2.5,20.9) 4.98,20.9 arc(5.18,20.94) 5.36,21.06 7.44,23.14 arc(7.62,23.26) 7.82,23.3 10.08,23.3 arc(10.28,23.26) 10.46,23.14 10.84,22.76 arc(11.02,22.64) 11.22,22.6 13.23,22.6 arc(13.43,22.64) 13.61,22.76 13.84,22.99 arc(14.02,23.11) 14.22,23.15 14.98,23.15 arc(15.18,23.11) 15.36,22.99 15.94,22.41 arc(16.12,22.29) 16.32,22.25 31.83,22.25 arc(32.03,22.21) 32.21,22.09 33.04,21.26 arc(33.22,21.14) 33.42,21.1 39.38,21.1 arc(39.58,21.14) 39.76,21.26 40.49,21.99 arc(40.61,22.17) 40.65,22.37 40.65,24.63 arc(40.69,24.83) 40.81,25.01 41.89,26.09 arc(42.07,26.21) 42.27,26.25 44.23,26.25 arc(44.43,26.21) 44.61,26.09 45.69,25.01 arc(45.87,24.89) 46.07,24.85 48.88,24.85 arc(49.08,24.89) 49.26,25.01 49.69,25.44 arc(49.87,25.56) 50.07,25.6 55.73,25.6 arc(55.93,25.56) 56.11,25.44 57.54,24.01 arc(57.72,23.89) 57.92,23.85 60.38,23.85 arc(60.58,23.81) 60.76,23.69 60.84,23.61 arc(61.02,23.49) 61.22,23.45 62.33,23.45 arc(62.53,23.49) 62.71,23.61 63.04,23.94 arc(63.22,24.06) 63.42,24.1 64.61,24.1 arc(64.69,24.08) 64.76,24.04 65.05,23.75
  BOTTOM w0.127: J6.28 65.2,25.6 v2(65.05,25.45)
